# Altium PCB Ixora.PcbDoc (part 1 of 13) (continued)
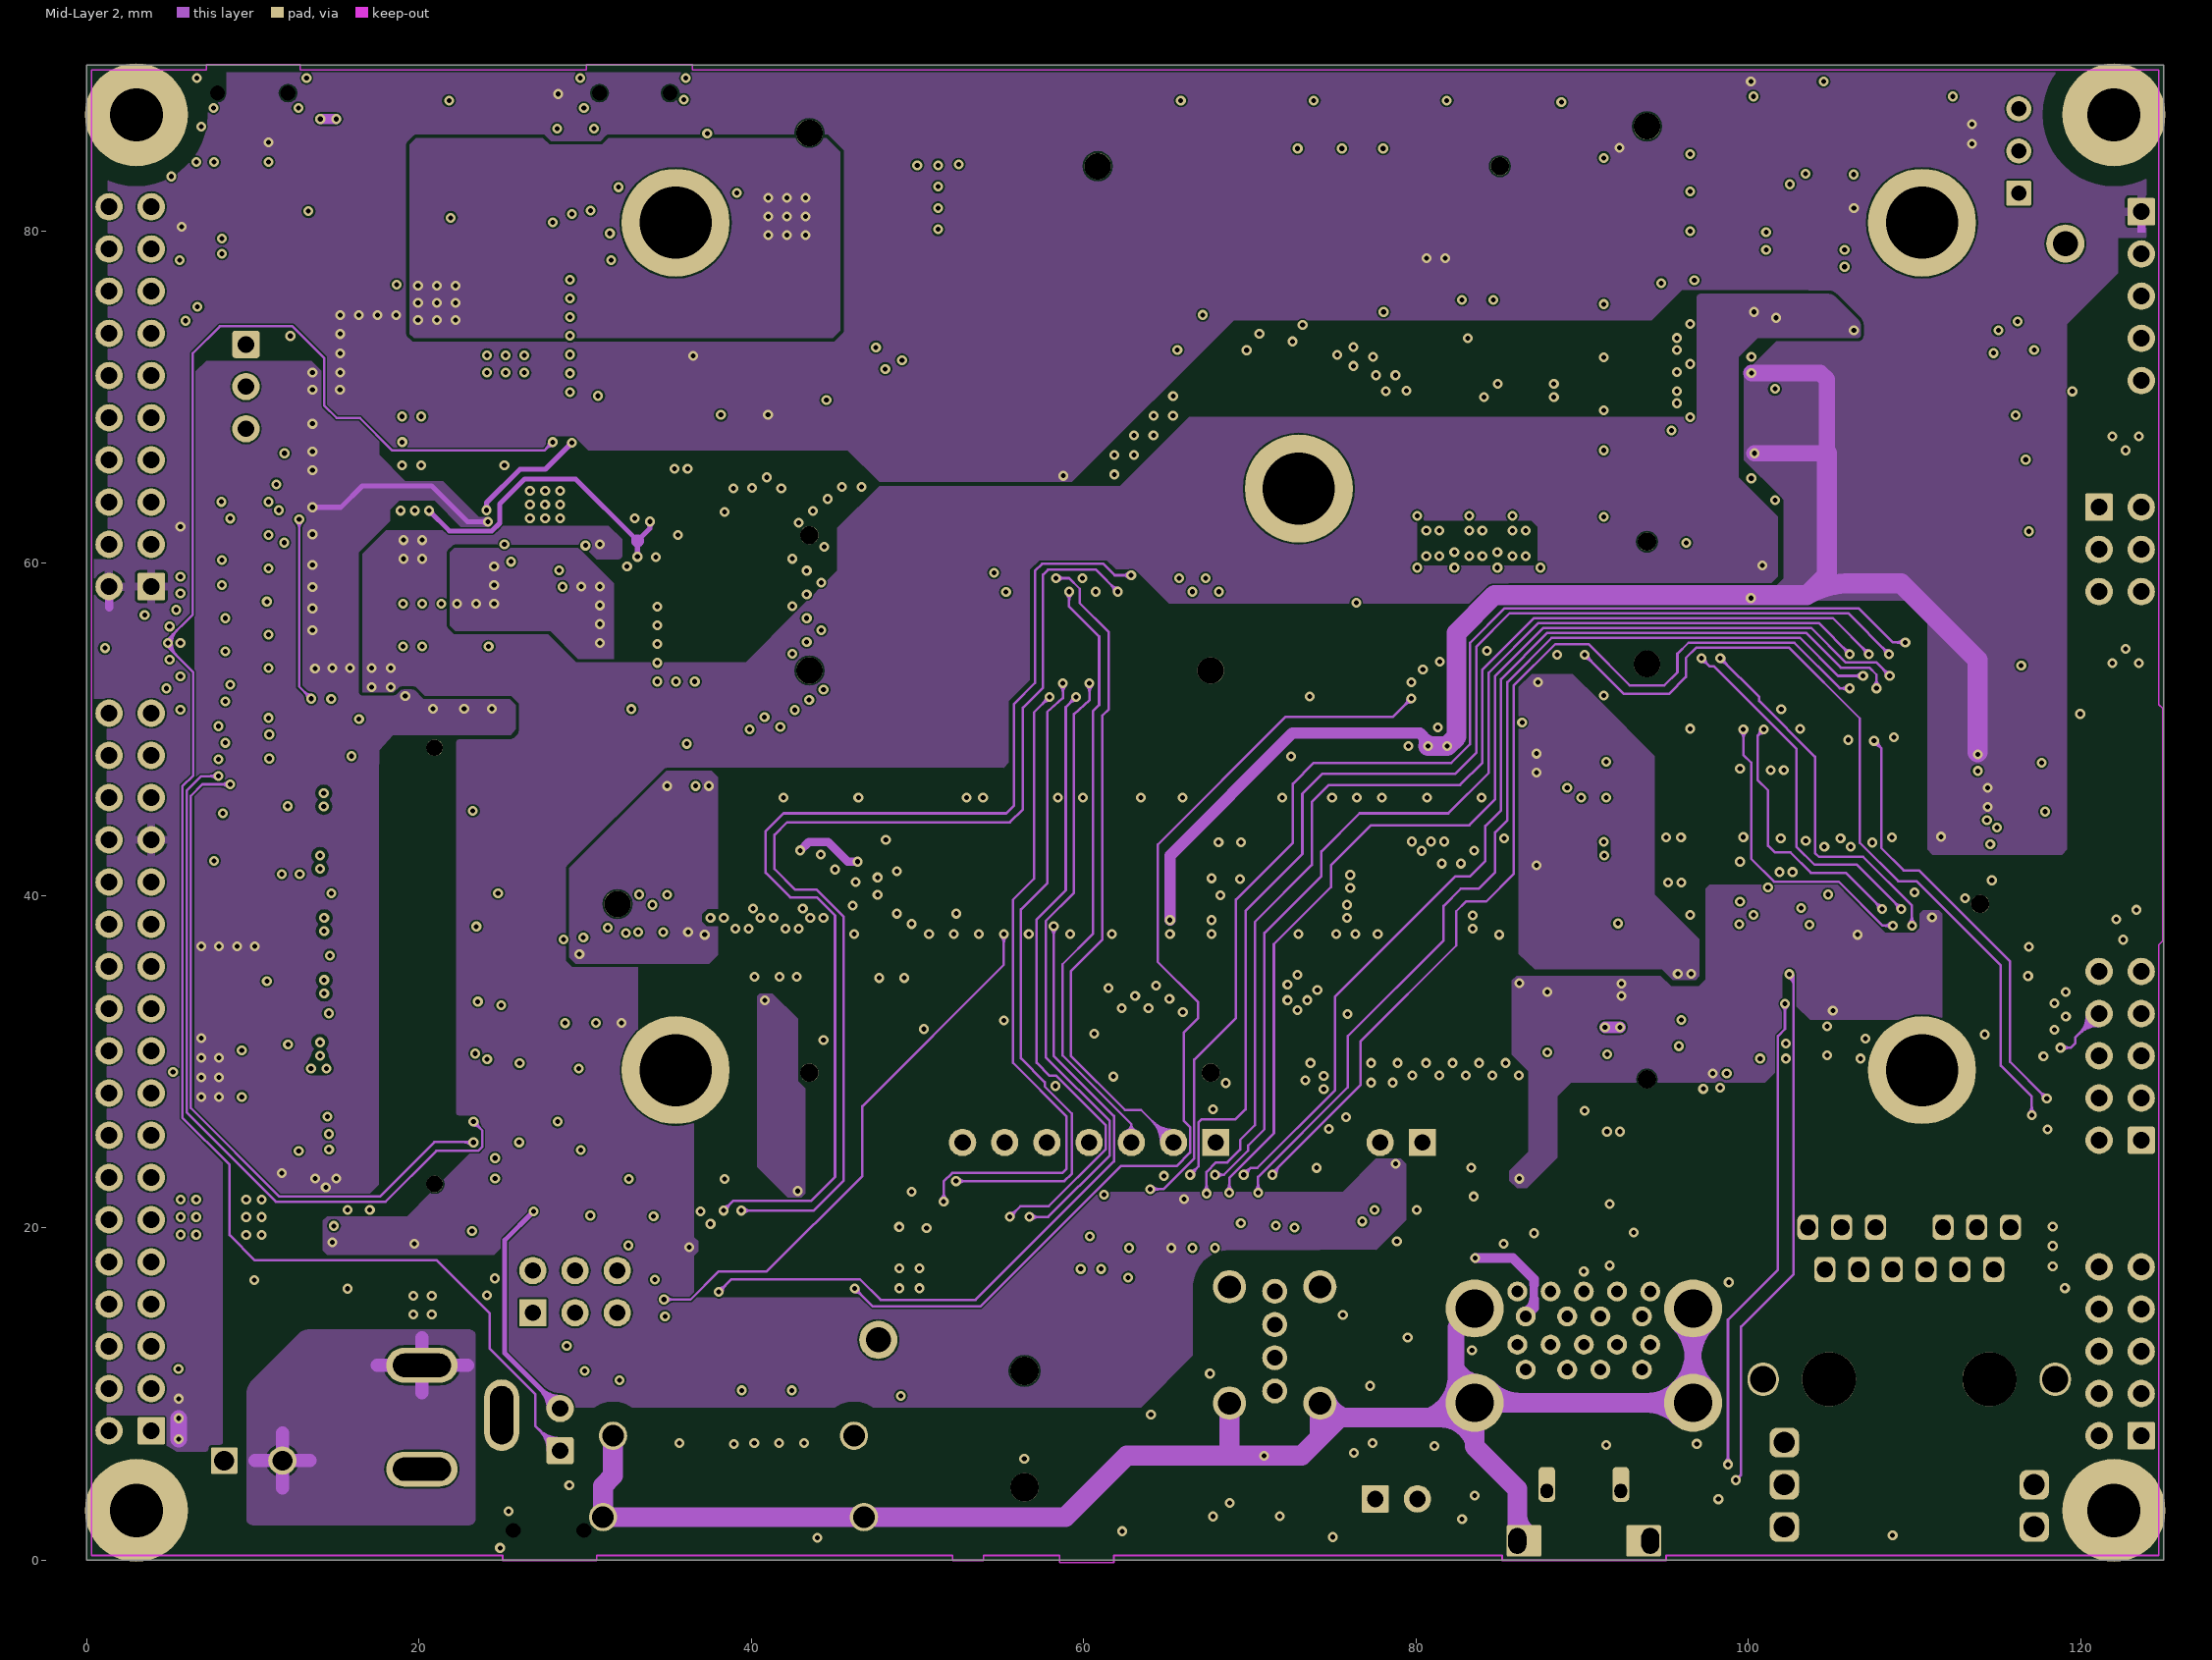
[diagram p4: Mid-Layer 2]
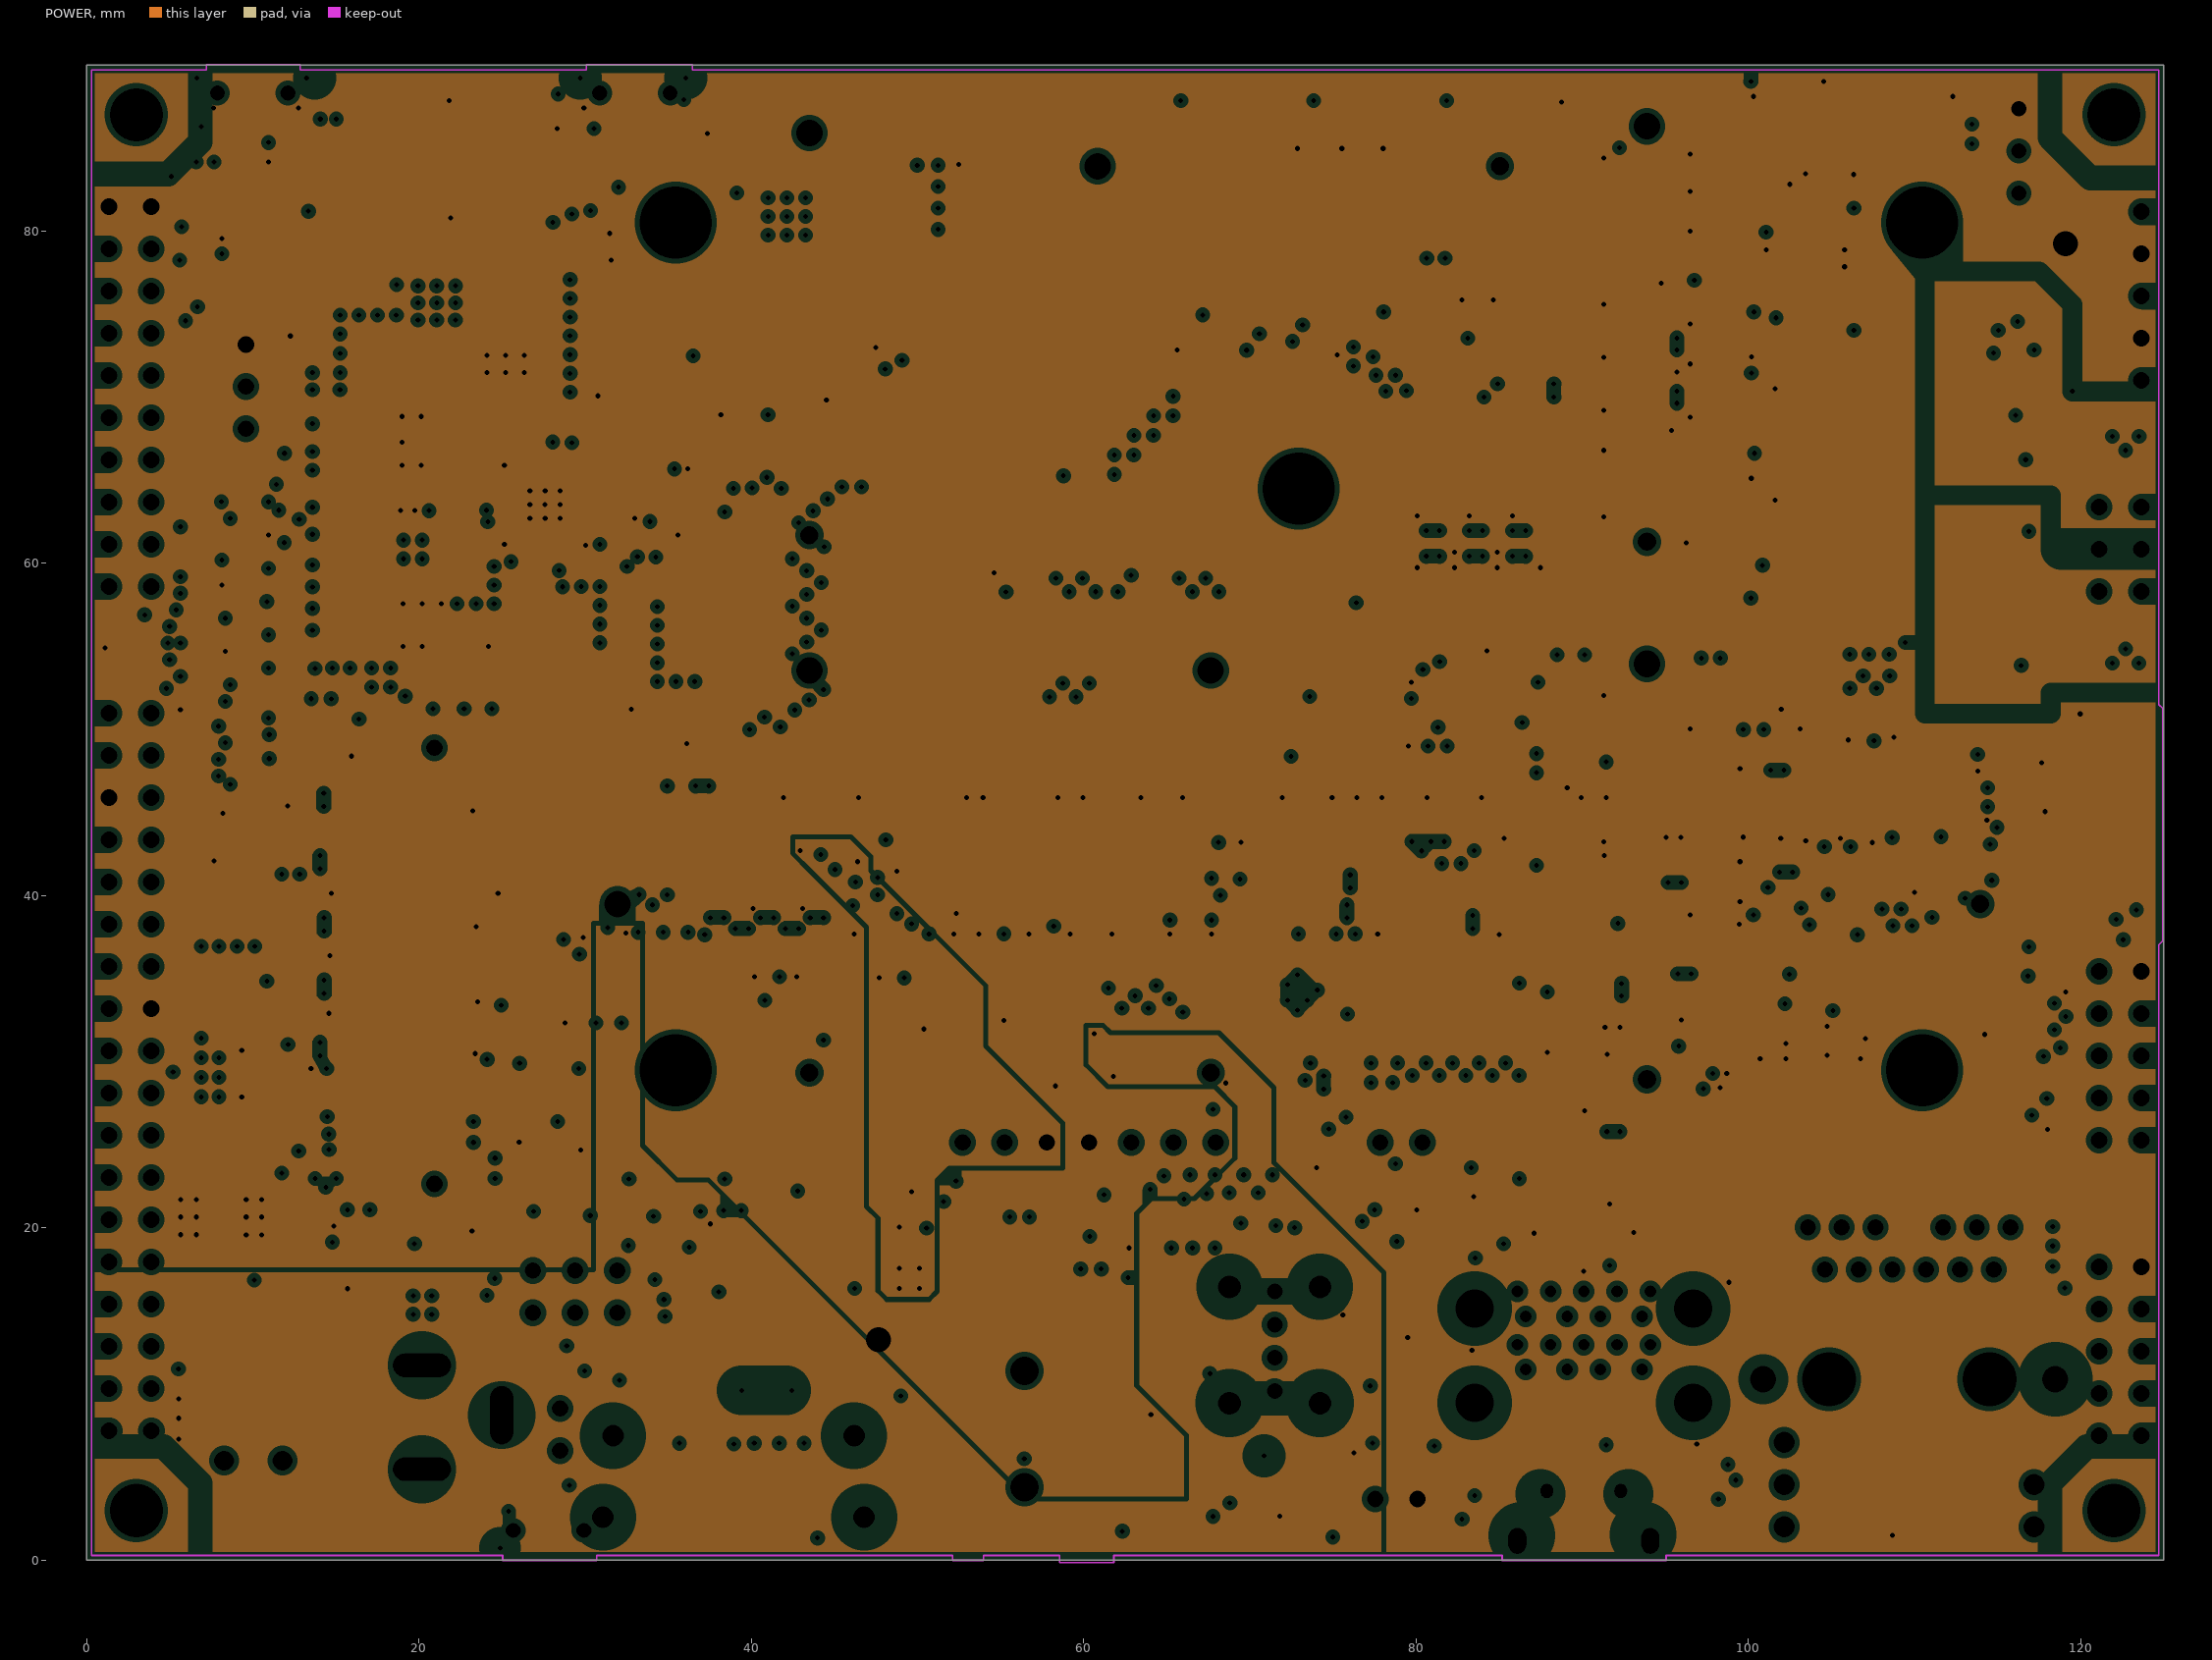
[diagram p5: POWER, clearances drawn from the general rule]

## Layer stack, top to bottom
Top Layer: signal copper 0.043
Dielectric: prepreg 0.1123, FR-4, Dk 4.8
GND: plane copper 0.035, net (Multiple Nets)
Dielectric: core 0.2, FR-4, Dk 4.8
Mid-Layer 1: signal copper 0.015
Dielectric: prepreg 0.75, FR-4, Dk 4.8
Mid-Layer 2: signal copper 0.015
Dielectric: core 0.2, FR-4, Dk 4.8
POWER: plane copper 0.035, net (Multiple Nets)
Dielectric: prepreg 0.1123, FR-4, Dk 4.8
Bottom Layer: signal copper 0.043

## Board outline
0,0 125,0 125,90 0,90

## Design rules (kind name [scope] priority, off if disabled: settings)
Clearance Clearance_Shield [(isregion) vs ((InNet('SHIELD1') or InNet('SHIELD2')) and IsPadHolevalid)] p1: gap=1.2
Clearance Clearance_Polygon_Mid2 [(OnLayer('Mid-Layer 2') AND Isregion) vs IsRegion] p2: gap=0.2
Clearance Clearance_Polygon_Top_Diff [(InDifferentialPairClass('All Differential Pairs')) vs (OnLayer('top Layer') AND IsRegion and InNet('GND') )] p3: gap=1
Clearance Clearance_Polygon_Bottom_Diff [(InDifferentialPairClass('All Differential Pairs')) vs (OnLayer('bottom Layer') AND IsRegion and InNet('GND'))] p4: gap=1
Clearance Clearance_Polygon_Mid1 [(OnLayer('Mid-Layer 1') AND Isregion) vs IsRegion] p5: gap=0.2
Clearance Clearance_Via_Poly [(InDifferentialPairClass('All Differential Pairs')and isvia) vs InPolygon] p6: gap=0.2
Clearance [All] p7: gap=0.1
ComponentClearance [All] p1: gap=0.15 collisioncheckmode=3 verticalgap=0.15 showdistances=TRUE
DiffPairsRouting DiffPairsRouting_55_95 [(InDifferentialPairClass('LAN'))] p1: maxlimit=0.165 minlimit=0.165 mostfreqgap=0.165 maxuncoupledlength=12.7
DiffPairsRouting DiffPairsRouting_55_100 [(InDifferentialPairClass('LVDS'))] p2: maxlimit=0.2 minlimit=0.2 mostfreqgap=0.2 maxuncoupledlength=12.7
DiffPairsRouting DiffPairsRouting_55_90 [(InDifferentialPairClass('SATA'))] p3: maxlimit=0.125 minlimit=0.125 mostfreqgap=0.125 maxuncoupledlength=12.7
DiffPairsRouting DiffPairsRouting_50_90 [(InDifferentialPairClass('PCIe') or InDifferentialPairClass('USB') or InDifferentialPairClass('HDMI') or InDifferentialPairClass('Type Specific') or InDifferentialPairClass('CSI'))] p4: maxlimit=0.19 minlimit=0.19 mostfreqgap=0.19 maxuncoupledlength=12.7
DiffPairsRouting [All] p5: maxlimit=0.254 minlimit=0.254 mostfreqgap=0.254 maxuncoupledlength=12.7
FabricationTestPointUsage TestPointUsage [All] p1: valid=0 allowmultiple=FALSE
FabricationTestpoint Testpoint [(IsPad And (OnTopLayer Or OnBottomLayer))] p1: side=3 testpointundercomponent=TRUE minsize=1.016 maxsize=2.54 preferedsize=1.524 minholesize=0 maxholesize=1.016 preferedholesize=0.813 testpointgrid=0.025 allowsidetop=TRUE allowsidebottom=TRUE usegrid=TRUE gridtolerance=0
Height [All] p1: minheight=0 maxheight=40 prefheight=12.7
HoleSize [All] p1: absolutevalues=TRUE maxlimit=4.8 minlimit=0.025 maxpercent=80.000 minpercent=20.000
MinimumSolderMaskSliver [All] p1: minsoldermaskwidth=0
PlaneClearance [All] p1: clearance=0.3
PlaneConnect PlaneConnect_X18-AGND [InNet(AGND) AND InComponent(X18)] p1: planeconnectstyle=Direct reliefexpansion=0.3 reliefentries=4 reliefconductorwidth=0.5 reliefairgap=0.2
PlaneConnect PlaneConnect_X1 [InComponent('X1')] p2: planeconnectstyle=Direct reliefexpansion=0.508 reliefentries=4 reliefconductorwidth=0.254 reliefairgap=0.254
PlaneConnect PlaneConnect_VIAS [Isvia] p3: planeconnectstyle=Direct reliefexpansion=0.508 reliefentries=4 reliefconductorwidth=0.254 reliefairgap=0.254
PlaneConnect [All] p4: planeconnectstyle=Relief reliefexpansion=0.3 reliefentries=4 reliefconductorwidth=0.3 reliefairgap=0.2
PolygonConnect PolygonConnect_Via [Isvia] p1: connectstyle=Direct reliefconductorwidth=0.254 reliefentries=4 polygonreliefangle="90 Angle" airgapwidth=0.254
PolygonConnect PolygonConnect_DirectConnect [InNet('NetD1_1') OR (InNet(GND_IN) AND (InComponent(D1) OR InComponent(D2) OR InComponent(L2))) OR (InNet(NetC33_1) AND (InComponent(L5)))  OR (InNet(PWR_IN) AND (InComponent(F1))) OR (InNet(V_SUPPLY_FILT) AND (InComponent(L1))) OR (InNet(GND) AND (InComponent(L2) OR InComponent(C15) OR InComponent(C16) OR InComponent(C30) OR InComponent(C31))) OR (InNet(NetIC2_23) AND (InComponent(T4) OR InComponent(R21))) OR (InNet(NetIC2_18) AND (InComponent(R9) OR InComponent(T1))) OR (InNet(GND) AND (InComponent(BAT1)))] p2: connectstyle=Direct reliefconductorwidth=0.254 reliefentries=4 polygonreliefangle="90 Angle" airgapwidth=0.254
PolygonConnect PolygonConnect_Power [InNet('3.3V_SW') OR InNet('NetC19_1') OR (OnLayer('Top Layer') AND ( InNet('PWR_IN') OR InNet('GND_IN') OR  InNet('3.3V') OR InNet('V_SUPPLY_FILT') OR  InNet('V_SUPPLY_FILT_SW') OR  InNet('NETC33_1')  OR InNet('AGND') OR InNet('V_FAN_UNREG') )) OR (OnLayer('Top Layer') AND InNet('GND') AND (InComponent('C4') OR InComponent('C5') OR InComponent('C6') OR InComponent('C8') OR InComponent('C9') OR InComponent('C10') OR InComponent('C11') OR InComponent('C26') OR InComponent('R9') OR InComponent('R21') )) OR (OnLayer('Top Layer') AND InNet('3.3V') AND (InComponent('C8') OR InComponent('C9') OR InComponent('C10') OR InComponent('C11')))] p3: connectstyle=Relief reliefconductorwidth=0.5 reliefentries=4 polygonreliefangle="90 Angle" airgapwidth=0.15
PolygonConnect [All] p4: connectstyle=Relief reliefconductorwidth=0.3 reliefentries=4 polygonreliefangle="90 Angle" airgapwidth=0.15
RoutingVias [All] p1: holewidth=0.3 width=0.6 viastyle="Through Hole" minholewidth=0.3 minwidth=0.6 maxholewidth=0.3 maxwidth=0.6
SilkToSilkClearance [All] p1: silktosilkclearance=0.1
SilkscreenOverComponentPads [IsPad] p1: minsilkscreentomaskgap=0.1
SolderMaskExpansion [All] p1: expansion=0
ViasUnderSMD [All] p1: allowed=FALSE
Width "Single Ended_50" [(InDifferentialPairClass('CSI') or InDifferentialPairClass('PCIe') or InDifferentialPairClass('USB') or InDifferentialPairClass('HDMI') or InDifferentialPairClass('Type Specific'))or (InNet('VGA1_R') or InNet('VGA1_G') or InNet('VGA1_B')or InNet('VGA1_HSYNC')or InNet('VGA1_VSYNC')or InNet('VGA1_HSYNC_5V')or InNet('VGA1_VSYNC_5V')or InNet('VGA1_HSYNC_5V_R')or InNet('VGA1_VSYNC_5V_R'))] p1: maxlimit=0.18 minlimit=0.1 preferedwidth=0.18
Width "Single Ended_55" [(InDifferentialPairClass('LAN') or InDifferentialPairClass('LVDS') or InDifferentialPairClass('SATA'))] p2: maxlimit=0.15 minlimit=0.15 preferedwidth=0.15
Width Power [(InNet('3.3v') OR InNet('5V_SW')OR InNet('3.3V_APALIS')OR InNet('SHIELD1') OR InNet('CAN1_5V_ISO')OR InNet('CAN1_GND_ISO')OR InNet('CAN2_5V_ISO')OR InNet('CAN2_GND_ISO')OR InNet('GND') OR InNet('LVDS1_3.3V_SW')OR InNet('V_SUPPLY_FILT_F')OR InNet('12V_SW_UNREG_F')OR InNet('V_SUPPLY_FILT_SW')OR InNet('AGND')OR InNet('VDD_DVI')OR InNet('EARTH')OR InNet('NetFLT4_1')OR InNet ('V_SUPPLY_FILT')OR InNet ('GND_IN')OR InNet ('+12V_IN')OR InNet('GND_LVDS')OR InNet ('SHIELD2')OR InNet ('VCC_PLL')OR InNet ('VCC_LVDS')OR InNet ('AVCC')OR InNet ('AUDIO_AGND')OR InNet ('VCC_ISO')OR InNet ('GND_ISO')OR InNet ('SEL_1')OR InNet ('V_FAN_UNREG')OR InNet ('SEL_2')OR InNet ('SEL_3')OR InNet ('LVDS_3.3V')OR InNet ('LVDS1_5V')OR InNet ('LVDS1_V_SUPPLY_SW_UNREG')OR InNet ('+V_DISPLAY')OR InNet ('ETH_AGND')OR InNet ('AGND2')OR InNet ('ETH_AVCC')OR InNet ('VSTB')OR InNet ('V5FILT')OR InNet ('VREG3')OR InNet('DVI_5V')OR InNet('3.3V_SW')OR InNet('1.5V_PCIE1')OR InNet('3.3V_PCIE1')OR InNet('PCIE1_1.0V')OR InNet('NetIC26_5')OR InNet('3.3V_MSATA1')OR InNet('1.5V_MSATA1')OR InNet('Netc56_2')OR InNet('Netc59_2')OR InNet('VCC_USBH2')OR InNet('Netc310_2')OR InNet('VCC_USBH4')OR InNet('VCC_USBH2D')OR InNet('GND_USBH2D')OR InNet('GND_USBH4')OR InNet('GND_USBH2')OR InNet('Netc299_2')OR InNet('Netc303_2')OR InNet('VCC_USBH2A')OR InNet('VCC_USBH2B')OR InNet('GND_USBH2A')OR InNet('GND_USBH2B')OR InNet('Netc62_2')OR InNet('Netc290_2')OR InNet('VCC_USBO1')OR InNet('GND_USBH2C')OR InNet('VCC_USBH2C')OR InNet('GND_USBO1')OR InNet('Netd1_1')OR InNet('PWR_IN'))] p3: maxlimit=1.2 minlimit=0.1 preferedwidth=0.3
Width [All] p4: maxlimit=0.3 minlimit=0.1 preferedwidth=0.15
17 further rules are at their usual default settings.

## Classes and differential pairs
net class PCIE: PCIE1_CLK_N PCIE1_CLK_P PCIE1_RX_N PCIE1_RX_P PCIE1_TX_N PCIE1_TX_P
net class RGB: LCD1_B2 LCD1_B3 LCD1_B4 LCD1_B5 LCD1_B6 LCD1_B7 LCD1_DE LCD1_G2 LCD1_G3 LCD1_G4 LCD1_G5 LCD1_G6 LCD1_G7 LCD1_HSYNC LCD1_PCLK LCD1_R2 LCD1_R3 LCD1_R4 LCD1_R5 LCD1_R6 LCD1_R7 LCD1_VSYNC
net class Camera: CAM1_D0 CAM1_D1 CAM1_D2 CAM1_D3 CAM1_D4 CAM1_D5 CAM1_D6 CAM1_D7 CAM1_D8 CAM1_D9 CAM1_HSYNC CAM1_MCLK CAM1_PCLK CAM1_VSYNC I2C_CAM1_SCL I2C_CAM1_SDA
net class Sata: SATA1_RX_N SATA1_RX_P SATA1_TX_N SATA1_TX_P
net class Power: 1.5V_MSATA1 1.5V_PCIE1 3.3V 3.3V_LED 3.3V_MSATA1 3.3V_PCIE1 3.3V_SD 3.3V_SW 3.3V_SW_EN 3.3V_SW_EN# 3.3V_SW_EN_R# AGND AVCC CAN1_5V_ISO CAN1_GND_ISO CAN2_5V_ISO CAN2_GND_ISO GND GND_IN GND_USBH2 GND_USBH4 GND_USBO1 LVDS1_V_SUPPLY_SW_UNREG V5FILT V_FAN_UNREG V_SUPPLY_FILT V_SUPPLY_FILT_SW V_SUPPLY_SW_EN V_SUPPLY_SW_EN# V_SUPPLY_SW_EN_R VCC_BATT VCC_EXTRTC VCC_INTRTC VCC_RTC VCC_USBH2 VCC_USBH4 VCC_USBO1 VREF2 VREG3 VREG5 VSTB
net class LVDS: LVDS1_A_CLK_N LVDS1_A_CLK_P LVDS1_A_TX0_N LVDS1_A_TX0_P LVDS1_A_TX1_N LVDS1_A_TX1_P LVDS1_A_TX2_N LVDS1_A_TX2_P LVDS1_A_TX3_N LVDS1_A_TX3_P LVDS1_B_CLK_N LVDS1_B_CLK_P LVDS1_B_TX0_N LVDS1_B_TX0_P LVDS1_B_TX1_N LVDS1_B_TX1_P LVDS1_B_TX2_N LVDS1_B_TX2_P LVDS1_B_TX3_N LVDS1_B_TX3_P
net class LAN: ETH1_MDI0_N ETH1_MDI0_P ETH1_MDI1_N ETH1_MDI1_P ETH1_MDI2_N ETH1_MDI2_P ETH1_MDI3_N ETH1_MDI3_P
net class USBO1: USBO1_D_CL_N USBO1_D_CL_P USBO1_D_CON_N USBO1_D_CON_P USBO1_D_N USBO1_D_P USBO1_SSRX_N USBO1_SSRX_P USBO1_SSTX_N USBO1_SSTX_P
net class USBH4: USBH4_D_CON_N USBH4_D_CON_P USBH4_D_N USBH4_D_P USBH4_SSRX_N USBH4_SSRX_P USBH4_SSTX_N USBH4_SSTX_P
net class HSBH3: USBH3_D_N USBH3_D_P
net class USBH2_3: USBH2_D_N USBH2_D_P USBH3_D_N USBH3_D_P USBH_D_CON_N USBH_D_CON_P USBH_D_FILT_N USBH_D_FILT_P USBH_PCIE_N USBH_PCIE_P
net class HDMI: HDMI1_TXC_N HDMI1_TXC_P HDMI1_TXD0_N HDMI1_TXD0_P HDMI1_TXD1_N HDMI1_TXD1_P HDMI1_TXD2_N HDMI1_TXD2_P
component class Serial: C122 C123 C124 C125 C126 C127 C128 C129 C130 C131 IC12 IC13 JP3 R115 R116 RA10 RA12 RA14 RA16 X21 X22
differential pair class PCIe: PCIE1_CLK PCIE1_RX PCIE1_TX
differential pair class USB: USBH2_D USBH3_D USBH4_D USBH4_D_CON USBH4_SSRX USBH4_SSTX USBH_D_CON USBH_D_FILT USBH_PCIE USBO1_D USBO1_D_CL USBO1_D_CON USBO1_SSRX USBO1_SSTX
differential pair class HDMI: HDMI1_TXC HDMI1_TXD0 HDMI1_TXD1 HDMI1_TXD2
differential pair class SATA: SATA1_RX SATA1_TX
differential pair class LAN: ETH1_MDI0 ETH1_MDI1 ETH1_MDI2 ETH1_MDI3
differential pair class LVDS: LVDS1_A_CLK LVDS1_A_TX0 LVDS1_A_TX1 LVDS1_A_TX2 LVDS1_A_TX3 LVDS1_B_CLK LVDS1_B_TX0 LVDS1_B_TX1 LVDS1_B_TX2 LVDS1_B_TX3
component class CAN: C104 C105 C106 C107 C108 C109 C110 C111 C112 C113 C114 C115 C116 C117 C118 C119 C120 C121 IC10 IC11 R105 R106 R107 R108 R111 R112 R113 R114 RA4 X20
component class Audio: C76 C77 C78 C79 C80 C81 C82 C83 C84 C85 C86 C132 IC8 L21 R148 R149 RA13 X12 X18
component class Camera_Interface: C87 C133 C134 JP4 R77 R78 R79 R80 R129 R150 R151 R152 R153 RA5 RA7 RA9 X14 X28
component class Ethernet: C69 C70 C71 C72 C73 C74 C75 L20 R70 R71 R72 R73 R74 R75 R76 X11
component class LVDS: C98 C101 C102 L24 L25 L26 R97 R98 R99 R100 R101 R102 R127 R128 X19
component class PCI_Express: C143 C144 C145 C146 C147 IC17 L28 LED11 LED12 LED13 R53 R118 R119 R120 R126 R134 R135 R136 R137 R138 R139 R140 R143 R144 X25 X26
component class Power_Supply: C1 C2 C3 C4 C5 C6 C7 C8 C9 C10 C11 C12 C13 D1 D2 F1 L1 L2 L3 L18 LED1 MECH1 MECH2 MECH9 MECH10 MECH11 MECH12 MECH13 MECH14 MECH15 MECH16 MECH17 MECH18 MECH19 R1 TP5 TP6 X1 X2 X3 X4
component class Power_Switch: C14 C15 C16 C17 C18 C19 C20 C21 C22 C23 C24 C25 C26 C27 C28 C29 C30 C31 C32 C33 C34 C35 C36 C37 C38 C39 C40 C41 C42 C43 C44 C45 C46 C47 D14 D16 IC1 IC2 IC3 IC4 JP1 L4 L5 L6 L7 LED2 R4 R5 R6 R7 R8 R9 R10 R11 R12 R13 R14 R15 R16 R17 R18 R19 R20 R21 R22 R23 R24 R25 R26 R27 R28 R29 R30 R31 R32 R33 R34 R35 R36 R37 R68 R146 R147 RA6 SW1 SW2 T1 T2 T3 T4 T5 T6 T7 T8 T9 T10 T11 X5 X6
component class Sata: C99 C138 C139 C140 C141 C142 IC16 L27 LED10 R121 R122 R123 R124 R125 R132 R133 T13 X23
component class USB_Connectors: C56 C57 C58 C59 C60 C61 C62 C63 C64 D5 D6 D7 D8 D9 D10 D11 D12 IC6 IC7 JP2 L8 L9 L11 L12 L13 L14 L15 L16 L17 LED3 R50 R54 R55 R56 R57 R58 R59 R69 R96 R103 X7 X8 X9
component class RTC: BAT1 C48 C49 C50 C51 C97 D3 IC5 IC14 OSC1 R38 R39 R40 R41 R42 R43 R92 R93 R94 R95
component class USB: C52 C53 C54 R2 R46 R47 R48 R49 RA8
component class RGB_Display: C89 C90 C91 C92 C93 C94 R81 R82 R83 R84 R86 R87 RA19 RA21 RA23 RA25 RA27 RA29 X15 X16 X24
component class HDMI: C55 C66 C88 C95 C103 D13 D15 IC9 L10 RA11 X17
component class Extension: C65 C96 C100 LED4 LED5 R3 R44 R45 R65 R66 R67 R85 R88 R89 R90 R91 R130 R131 R141 R142 R145 RA1 RA2 RA3 RA15 SW3 T12 T14 X27
component class SDCard: C67 C68 L19 R51 R52 R60 R61 R62 R63 R64 R104 R109 R110 R117 RA18 RA20 T15 X10
differential pair class CSI: CSI_CLK CSI_D0 CSI_D1 CSI_D2 CSI_D3
differential pair USBO1_SSRX: +USBO1_SSRX_P -USBO1_SSRX_N
differential pair USBO1_D_CON: +USBO1_D_CON_P -USBO1_D_CON_N
differential pair USBO1_D_CL: +USBO1_D_CL_P -USBO1_D_CL_N
differential pair USBH4_D_CON: +USBH4_D_CON_P -USBH4_D_CON_N
differential pair USBH2_D: +USBH2_D_P -USBH2_D_N
differential pair PCIE1_TX: +PCIE1_TX_P -PCIE1_TX_N
differential pair PCIE1_RX: +PCIE1_RX_P -PCIE1_RX_N
differential pair PCIE1_CLK: +PCIE1_CLK_P -PCIE1_CLK_N
differential pair USBO1_SSTX: +USBO1_SSTX_P -USBO1_SSTX_N
differential pair USBO1_D: +USBO1_D_P -USBO1_D_N
differential pair USBH4_SSTX: +USBH4_SSTX_P -USBH4_SSTX_N
differential pair USBH4_SSRX: +USBH4_SSRX_P -USBH4_SSRX_N
differential pair USBH4_D: +USBH4_D_P -USBH4_D_N
differential pair USBH3_D: +USBH3_D_P -USBH3_D_N
differential pair LVDS1_B_TX3: +LVDS1_B_TX3_P -LVDS1_B_TX3_N
differential pair LVDS1_B_TX2: +LVDS1_B_TX2_P -LVDS1_B_TX2_N
differential pair LVDS1_B_TX1: +LVDS1_B_TX1_P -LVDS1_B_TX1_N
differential pair LVDS1_B_TX0: +LVDS1_B_TX0_P -LVDS1_B_TX0_N
differential pair LVDS1_B_CLK: +LVDS1_B_CLK_P -LVDS1_B_CLK_N
differential pair LVDS1_A_TX3: +LVDS1_A_TX3_P -LVDS1_A_TX3_N
differential pair LVDS1_A_TX2: +LVDS1_A_TX2_P -LVDS1_A_TX2_N
differential pair LVDS1_A_TX1: +LVDS1_A_TX1_P -LVDS1_A_TX1_N
differential pair LVDS1_A_TX0: +LVDS1_A_TX0_P -LVDS1_A_TX0_N
differential pair LVDS1_A_CLK: +LVDS1_A_CLK_P -LVDS1_A_CLK_N
differential pair HDMI1_TXD2: +HDMI1_TXD2_P -HDMI1_TXD2_N
differential pair HDMI1_TXD1: +HDMI1_TXD1_P -HDMI1_TXD1_N
differential pair HDMI1_TXD0: +HDMI1_TXD0_P -HDMI1_TXD0_N
differential pair HDMI1_TXC: +HDMI1_TXC_P -HDMI1_TXC_N
differential pair ETH1_MDI3: +ETH1_MDI3_P -ETH1_MDI3_N
differential pair ETH1_MDI2: +ETH1_MDI2_P -ETH1_MDI2_N
differential pair ETH1_MDI1: +ETH1_MDI1_P -ETH1_MDI1_N
differential pair ETH1_MDI0: +ETH1_MDI0_P -ETH1_MDI0_N
differential pair SATA1_RX: +SATA1_RX_P -SATA1_RX_N
differential pair SATA1_TX: +SATA1_TX_P -SATA1_TX_N
differential pair USBH_D_FILT: +USBH_D_FILT_P -USBH_D_FILT_N
differential pair USBH_PCIE: +USBH_PCIE_P -USBH_PCIE_N
differential pair USBH_D_CON: +USBH_D_CON_P -USBH_D_CON_N
differential pair CSI_CLK: +CSI_CLK_P -CSI_CLK_N
differential pair CSI_D0: +CSI_D0_P -CSI_D0_N
differential pair CSI_D1: +CSI_D1_P -CSI_D1_N
differential pair CSI_D2: +CSI_D2_P -CSI_D2_N
differential pair CSI_D3: +CSI_D3_P -CSI_D3_N
